# KiCad board UD3.1.kicad_pcb (continued)
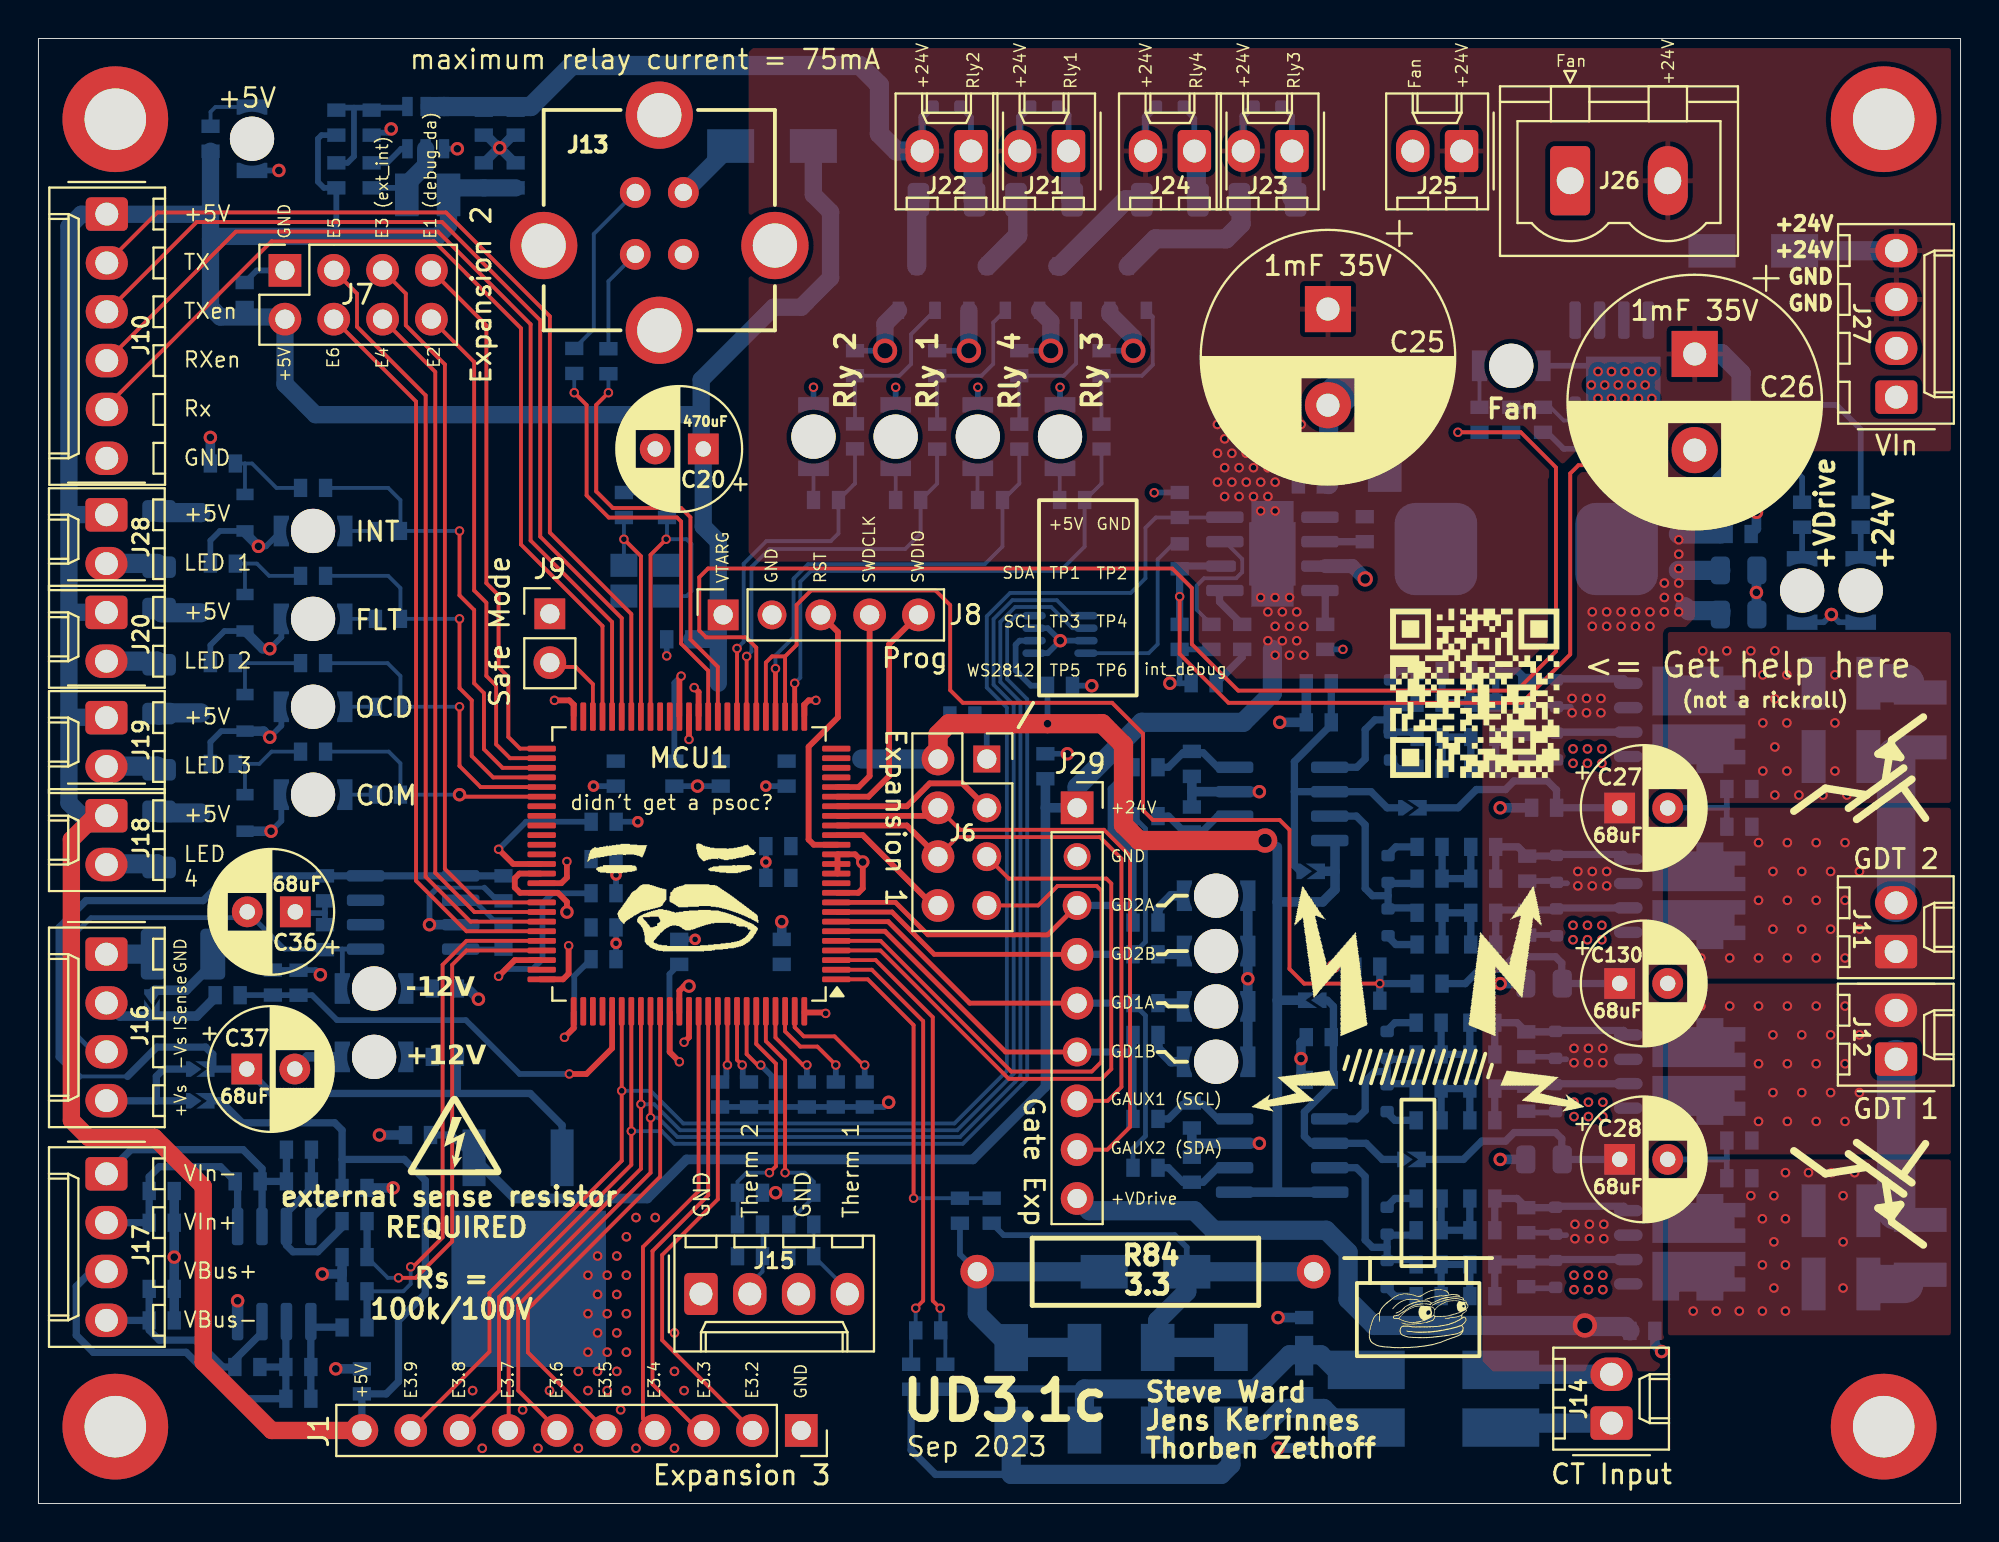
[diagram p0: board, top side]
## Routing (per net, layer and track width the routed paths; a pad name or vN(x,y) marks a point on that pad's centre or on a via; arc(x,y) is an arc through that point) (continued)
+VDrive: length 93.6
  Bottom w0.3: 88.58,54.22 90.9,54.22 91.76,53.36 R4.1 ; 78.93,13.96 79.48,13.96 ; R177.2 79.03,23.23 ; R153.2 78.94,41.5 ; R152.2 78.92,32.38 ; R178.2 79.03,14.09 ; 84.14,51.68 R14.2 ; 78.94,41.43 79.72,41.43 ; 78.93,23.11 79.48,23.11 ; 78.98,32.26 79.52,32.26
  Bottom w0.381: 82.27,27.04 79.26,27.04 79.26,28.11 78.93,28.44 76.77,28.44 76.12,27.79 74.98,27.79 74.23,27.04 R155.1 ; 82.27,17.9 79.26,17.9 79.26,18.97 78.93,19.3 76.77,19.3 76.32,18.85 75.09,18.85 74.14,17.9 Jp14.2 ; 82.27,36.19 C129.2 78.98,37.11 78.51,37.58 76.77,37.58 76.32,37.14 74.81,37.14 73.86,36.19 72.09,36.19
  Bottom w1: 88.58,54.22 87.53,53.17 87.53,52.51 87.51,52.48 87.1,52.48 85.66,51.05 ; 85.32,50.42 87.53,50.42 ; 85.32,48.53 87.53,48.53 ; 85.66,46.64 85.87,46.44 87.51,46.44 87.53,46.41 87.53,46.24 ; J29.9 54.67,15.23 60.13,15.23 61.15,14.22 66.99,14.22 68.14,13.07 68.14,10.62 69.49,9.26 v6(80.45,9.26) 80.51,9.21 82.57,9.21 C111.2
  vias: v1(79.79,41.88) v1(79.79,41.13) v1(79.89,23.68) v1(79.89,22.93) v1(79.94,14.53) v1(79.94,13.78) v1(80.09,32.88) v1(80.09,32.13) v1(80.54,41.88) v1(80.54,41.13) v1(80.64,23.68) v1(80.64,22.93) v1(80.69,14.53) v1(80.69,13.78) v1(80.84,46.38) v1(80.84,45.63) v1(80.84,32.88) v1(80.84,32.13) v1(81.29,41.88) v1(81.29,41.13) v1(81.39,23.68) v1(81.39,22.93) v1(81.44,14.53) v1(81.44,13.78) v1(81.59,46.38) v1(81.59,45.63) v1(81.59,32.88) v1(81.59,32.13) v1(82.34,46.38) v1(82.34,45.63) v1(83.09,46.38) v1(83.09,45.63) v1(83.84,46.38) v1(83.84,45.63) v1(84.59,51.63) v1(84.59,47.88) v1(84.59,47.13) v1(84.59,46.38) v1(85.34,51.63) v1(85.34,50.88) v1(85.34,50.13) v1(85.34,49.38) v1(85.34,48.63) v1(85.34,47.88) v1(85.34,47.13) v1(85.34,46.38)
/AFE/CTA: length 5.5
  Bottom w1: 76.31,6.72 81.85,6.72
/AFE/CTB: length 5.5
  Bottom w1: 76.31,4.18 81.85,4.18
/AFE/CTout: length 18
  Top w0.2: v5(45.53,15.88) 45.53,24.88 43.15,27.27 41.57,27.27
  Bottom w0.2: v5(45.53,15.88) C83.1 R85.1
/AFE/Ibus: length 23.4
  Top w0.3: v5(27.62,22.34) 28.51,22.34 29.85,23.68 29.85,25.54
  Bottom w0.3: R1.1 14.24,26.44 15.53,25.14 22.23,25.14 25.04,22.34 v5(27.62,22.34) ; 12.2,26.44 13.53,26.44 ; 10.5,26.45 C82.2
/AFE/Ibus In: length 6.3
  Bottom w0.5: 3.56,26.03 4.24,25.35 Jp16.2 8.23,25.35 9.19,26.31
/AFE/therm1: length 12.8
  Top w0.2: 37.85,25.54 37.85,24.05 38.85,23.05 v5(38.85,17.21)
  Bottom w0.2: C96.2 40.34,16.74 39.87,17.21 v5(38.85,17.21) ; 39.04,14.64 40.34,15.94
/AFE/Therm1 In: length 4.1
  Bottom w0.2: R93.2 C95.2 42.08,11.12
/AFE/therm2: length 13
  Top w0.2: 37.35,25.54 37.35,23.9 38.37,22.88 38.37,17.54 v5(38.03,17.21)
  Bottom w0.2: R89.1 C89.2 36.37,16.74 36.84,17.21 v5(38.03,17.21)
/AFE/Therm2 In: length 3.4
  Bottom w0.2: 37,11.4 37.67,12.07 C88.2 R89.2
/AFE/VSense A: length 26.8
  Top w0.2: 26.12,28.77 22.27,28.77 21.53,28.02 21.53,13.63 19.63,11.74 v5(18.73,11.74)
  Bottom w0.2: v5(18.73,11.74) 18.18,11.74 C86.2
  Bottom w0.381: C86.2 R87.2
/AFE/VSense A +: length 11.5
  Bottom w0.381: C85.2 9.47,17.52 6.29,17.52 5.76,16.99 C87.1 R88.1 3.56,14.6 ; 10.36,14.69 10.36,16.63
/AFE/VSense A -: length 14.7
  Bottom w0.381: 11.63,14.69 11.63,16.75 ; 11.63,16.75 11.63,17.42 10.65,18.41 4.82,18.41 3.56,17.14 ; 11.63,16.75 C84.1 R86.1
/AFE/VSense B: length 27.3
  Top w0.2: v5(19.37,12.31) 19.49,12.31 21.03,13.84 21.03,28.02 22.27,29.27 26.12,29.27
  Bottom w0.2: C93.2 18.99,11.04 19.37,11.42 v5(19.37,12.31)
  Bottom w0.381: R91.2 C93.2
/AFE/VSense B +: length 12
  Bottom w0.381: 11.63,8.89 10.22,7.48 C94.1 9.59,7.1 8.19,8.5 6.29,8.5 5.76,9.02 R90.2 ; R90.2 3.56,9.53 ; R90.2 C92.2
/AFE/VSense B -: length 21
  Bottom w0.381: 2.74,12.06 1.97,11.29 1.97,8.75 2.86,7.87 7.68,7.87 10.1,5.45 R92.1 C97.1 ; C94.2 C97.1 ; C97.1 12.87,9.16
/AFE/ZCDA: length 24.1
  Top w0.2: v5(46.92,10.16) 46.53,10.55 46.53,25.3 43.56,28.27 41.57,28.27
  Bottom w0.2: 46.92,9.03 v5(46.92,10.16) ; R48.1 47.18,8.77
/AFE/ZCDB: length 23.3
  Top w0.2: v5(45.64,10.16) 46.03,10.55 46.03,25.09 43.35,27.77 41.57,27.77
  Bottom w0.2: C81.2 v5(45.64,10.16) ; R47.1 45.4,8.77
/Controller/Aux Gate 1: length 30.8
  Top w0.2: J29.7 55.62,20.95 56.34,21.67 56.34,33.55 55.23,34.66 47.82,34.66 J6.6
  Top w0.3: J6.6 45.18,35.27 41.57,35.27
/Controller/Aux Gate 2: length 33.2
  Top w0.2: J29.8 55.61,18.41 56.79,19.59 56.79,33.68 55.44,35.04 47.94,35.04 J6.4
  Top w0.3: 41.57,35.77 46.38,35.77
/Controller/Default: length 4.2
  Top w0.2: 26.61,43.51 27.95,43.51 28.85,42.62 28.85,40.99
/Controller/E1: length 27.8
  Top w0.2: 26.12,39.27 25.05,39.27 24.45,39.87 24.45,42.99 23.94,43.5 23.94,47.23 23.3,47.87 23.3,61.28 20.45,64.14
/Controller/E2: length 26.1
  Top w0.2: 26.12,38.77 24.54,38.77 23.81,39.49 23.81,42.54 23.3,43.04 23.3,46.85 22.67,47.49 22.67,59.37 20.45,61.59
/Controller/E3: length 38.2
  Top w0.2: 17.91,64.14 19.11,62.93 19.11,61.28 21.15,59.25 21.15,33.01 22.89,31.27 26.12,31.27
/Controller/E3.2: length 24.9
  Top w0.2: J1.2 32.45,8.5 32.45,12.93 35.35,15.82 35.35,25.54
/Controller/E3.3: length 23.9
  Top w0.2: 34.35,3.8 31.95,6.21 31.95,13.13 34.85,16.03 34.85,25.54
/Controller/E3.4: length 23.2
  Top w0.2: J1.4 31.45,4.42 31.45,13.34 34.35,16.24 34.35,25.54
/Controller/E3.5: length 26.3
  Top w0.2: 32.35,25.54 32.35,17 25.46,10.12 25.46,7.87 J1.5
/Controller/E3.6: length 75.7
  Top w0.2: 26.99,3.85 24.96,5.88 24.96,10.32 31.85,17.21 v5(31.85,20.07) 31.85,25.54
  Bottom w0.2: IC1.6 53.79,45.53 52.69,46.63 50.82,46.63 50.04,45.86 50.04,42.73 51.09,41.69 51.09,22.21 50.81,21.92 47.94,19.06 33.24,19.06 32.24,20.07 v5(31.85,20.07)
/Controller/E3.7: length 75.4
  Top w0.2: 24.46,3.82 24.46,10.53 31.35,17.41 v5(31.35,20.77) 31.35,25.54
  Bottom w0.2: IC1.5 53.79,46.18 52.98,46.98 50.67,46.98 49.69,46 49.69,42.59 50.74,41.54 50.74,22.35 47.8,19.42 33.39,19.42 32.04,20.77 v5(31.35,20.77)
/Controller/E3.8: length 73.4
  Top w0.2: 30.85,25.54 v5(30.85,19.37) 30.85,17.62 23.96,10.74 23.96,5.86 J1.8
  Bottom w0.2: v5(30.85,19.37) 32.43,19.37 33.09,18.71 48.09,18.71 51.44,22.06 51.44,41.83 50.4,42.88 50.4,45.71 50.86,46.18 IC1.4
/Controller/E3.9: length 88
  Top w0.2: 30.35,25.54 v5(30.35,21.47) 30.35,17.83 23.46,10.94 23.46,7.9 J1.9
  Bottom w0.2: v5(30.35,21.47) 31.85,21.47 33.55,19.77 47.65,19.77 50.38,22.5 50.38,41.4 49.34,42.44 49.34,46.15 50.55,47.36 56.83,47.36 57.59,48.12 57.59,50.75 58.13,51.28 R13.2 61.43,51.28
/Controller/E4: length 36.2
  Top w0.2: 26.12,30.77 22.68,30.77 20.65,32.8 20.65,58.86 17.91,61.59
/Controller/E5: length 40.5
  Top w0.2: 26.12,30.27 22.48,30.27 20.15,32.6 20.15,57.63 16.57,61.2 16.57,62.93 15.37,64.14
/Controller/E6: length 38.5
  Top w0.2: 26.12,29.77 22.27,29.77 19.65,32.39 19.65,57.32 15.37,61.59
/Controller/GD1A: length 26.2
  Top w0.25: J29.5 48.45,26.03 44.21,30.27 41.57,30.27
  Bottom w0.25: R157.1 57.59,25.38 57.59,19.12 56.94,18.47 R169.1
  Bottom w0.381: J29.5 R157.1
/Controller/GD1B: length 23.2
  Top w0.25: 41.57,29.77 44.04,29.77 50.32,23.49 J29.6
  Bottom w0.381: J29.6 56.94,23.49 R156.1 R168.1
/Controller/GD2A: length 25.7
  Top w0.25: 41.57,31.27 44.59,31.27 46.27,29.58 52.51,29.58 J29.3
  Bottom w0.381: J29.3 56.94,31.11 ; 56.94,31.11 R132.1 ; 56.94,31.11 56.94,33.92 55.82,35.04 55.82,37.17 R143.1
/Controller/GD2B: length 24
  Top w0.25: 41.57,30.77 44.41,30.77 46.61,28.57 J29.4
  Bottom w0.25: R131.1 57.59,29.22 57.59,35.1 R144.1
  Bottom w0.381: J29.4 R131.1
/Controller/LED1: length 24.1
  Top w0.2: v5(21.91,50.58) 21.91,47.23 22.67,46.47 22.67,42.66 23.18,42.16 23.18,39.23 24.15,38.27 26.12,38.27
  Bottom w0.2: v5(21.91,50.58) R106.1 18.83,52.19 18.2,52.82 R100.1
/Controller/LED2: length 20.3
  Top w0.2: 26.12,37.77 23.66,37.77 22.54,38.88 22.54,41.77 21.91,42.41 v5(21.91,46.01)
  Bottom w0.2: v5(21.91,46.01) R110.1 18.83,47.62 18.2,48.25 R109.1
/Controller/LED3: length 16.6
  Top w0.2: 26.12,37.27 23,37.27 21.91,38.36 v5(21.91,41.44)
  Bottom w0.2: v5(21.91,41.44) R120.1 18.83,43.04 18.17,43.71 R119.1
/Controller/LED4: length 13.2
  Top w0.2: v3(21.91,36.87) 21.88,36.85 21.88,36.77 26.12,36.77
  Bottom w0.2: v3(21.91,36.87) R128.1 18.83,38.5 18.22,39.11 R127.1
/Controller/TP2: length 8.8
  Top w0.3: 41.57,36.27 45.18,36.27 46.37,37.46 48.07,37.46 J6.3
/Controller/TP4: length 33.9
  Top w0.2: J6.5 50.48,32.5 55.56,32.5 55.82,32.25 55.82,22.6 55.31,22.09 50.48,22.09 43.81,28.77 41.57,28.77
/Controller/TP5: length 6.5
  Top w0.3: 46.55,31.11 42.89,34.77 41.57,34.77
/Controller/TP6: length 32.1
  Top w0.2: J6.7 52.01,31.11 53.02,32.12 55.05,32.12 55.31,31.87 55.31,22.98 54.8,22.47 50.61,22.47 43.81,29.27 41.57,29.27
/Controller/VIB0: length 3.4
  Top w0.2: v5(35.85,22.81) 35.85,25.54
  Bottom w0.3: v5(35.85,22.81) 35.85,22.76 35.79,22.7 35.79,22.13
/Controller/VIB1: length 3.5
  Top w0.2: 36.35,25.54 36.35,23.08 v5(36.61,22.81)
  Bottom w0.3: 36.64,22.13 36.64,22.78 v5(36.61,22.81)
/Controller/VIB2: length 4.4
  Top w0.2: 36.85,25.54 36.85,23.38 37.41,22.81 v5(37.58,22.81)
  Bottom w0.3: v5(37.58,22.81) 38.46,21.93
/Controller/VIB3: length 4.2
  Top w0.2: v5(39.98,22.81) 39.77,22.81 38.35,24.24 38.35,25.54
  Bottom w0.3: R181.1 39.98,22.61
/Controller/VIB4: length 5
  Top w0.2: 38.85,25.54 38.85,24.56 39.64,23.77 40.53,23.77 v5(41.48,22.81)
  Bottom w0.3: R180.1 41.48,22.61
/Controller/VIB5: length 6.1
  Top w0.2: 42.99,22.72 41.41,24.3 39.81,24.3 39.35,24.77 39.35,25.54
  Bottom w0.3: v5(42.99,22.81) R179.1
/Controller/XI: length 12
  Top w0.2: 31.35,40.99 31.35,49.27 v5(30.46,50.16)
  Bottom w0.2: X1.2 v5(30.46,50.16) C16.1
/Controller/XO: length 15.9
  Top w0.2: 31.85,40.99 31.85,49.34 v5(32.66,50.16)
  Bottom w0.2: C18.1 32.7,50.2 v5(32.66,50.16) 33.72,50.16 33.97,49.9 33.97,47.45 33.72,47.2 X1.1
/Digital IO/FAN: length 77.8
  Top w0.2: 37.35,40.99 37.35,44.52 36.81,45.05 34.73,45.05 34.38,45.41 34.38,48.17 34.84,48.63 58.99,48.63 60.01,47.62 60.01,44.69 62.42,42.28 76.91,42.28 78.95,44.32 78.95,53.89 77.12,55.72 v5(73.85,55.72)
  Bottom w0.2: v5(73.85,55.72) R105.1 R98.1
/Digital IO/Relay1: length 22.1
  Top w0.2: 36.85,40.99 v5(36.85,44.06)
  Bottom w0.2: R101.1 45.9,50.45 45.09,49.65 38.04,49.65 37.1,48.71 37.1,44.31 v5(36.85,44.06) ; R124.1 46.76,53.05 45.9,52.19
/Digital IO/Relay2: length 18.4
  Top w0.2: 36.35,40.99 v5(36.35,44.47)
  Bottom w0.2: v5(36.35,44.47) 36.69,44.82 36.69,48.88 37.87,50.05 41.22,50.05 41.62,50.45 R102.1 42.48,53.06 R125.1
/Digital IO/Relay3: length 28
  Top w0.25: 39.35,40.99 39.35,42.62
  Bottom w0.2: R103.1 54.43,49.78 53.16,48.5 40.2,48.5 39.64,47.95 39.64,42.95 v5(39.35,42.66) ; R113.1 55.31,53.05 54.45,52.2
/Digital IO/Relay4: length 24.5
  Top w0.25: 38.35,40.99 v5(38.35,43.42)
  Bottom w0.2: R104.1 50.15,49.78 49.24,48.86 40.04,48.86 39.33,48.15 39.33,48.14 39.28,48.09 39.28,45.05 38.35,44.11 v5(38.35,43.42) ; R114.1 51.03,53.05 50.17,52.19
/GDT Driver powerstage/GDT1 DRV A: length 10.9
  Bottom w0.381: R166.1 71.42,12.69 70.17,12.69 70.17,13.33 ; 70.17,13.33 69.41,13.33 69.02,13.71 69.02,17.01 68.57,17.47 67.46,17.47 ; 70.17,13.33 70.17,13.96 71.42,13.96 R171.1
/GDT Driver powerstage/GDT1 DRV B: length 9.1
  Bottom w0.381: R167.1 71.42,21.83 70.17,21.83 70.17,22.47 ; 70.17,22.47 70.17,23.11 71.42,23.11 R172.1 ; 70.17,22.47 69.53,22.47 69.02,21.96 69.02,20.44 68.59,20.01 67.46,20.01
/GDT Driver powerstage/GDT2 DRV A: length 9.1
  Bottom w0.381: 71.68,41.65 71.42,41.39 70.17,41.39 70.17,40.76 ; 70.17,40.76 69.53,40.76 69.02,40.25 69.02,38.73 68.59,38.29 67.46,38.29 ; 70.17,40.76 70.17,40.12 71.42,40.12 71.68,39.87
/GDT Driver powerstage/GDT2 DRV B: length 10.9
  Bottom w0.381: 67.46,35.75 68.57,35.75 69.02,35.3 69.02,32 69.41,31.61 70.22,31.61 ; R142.1 71.47,30.98 70.22,30.98 70.22,31.61 ; R147.1 71.47,32.25 70.22,32.25 70.22,31.61
/GDT Driver powerstage/GDT OUT 1A: length 7.9
  Bottom w2: 96.65,15.23 96.65,23.11
/GDT Driver powerstage/GDT OUT 2A: length 7.6
  Bottom w2: 96.65,31.24 96.65,38.85
/GDT Driver powerstage/M1A:
  vias: v1(86.09,17.21) v1(86.09,10.01) v1(87.29,10.01) v1(88.49,10.01) v1(89.09,16.01) v1(89.69,14.81) v1(89.69,12.41) v1(89.69,10.01) v1(90.29,16.01) v1(90.29,13.61) v1(90.29,11.21) v1(90.89,17.21) v1(90.89,14.81) v1(90.89,12.41) v1(90.89,10.01) v1(92.09,17.21) v1(93.29,17.21) v1(93.89,16.01) v1(93.89,13.61) v1(93.89,11.21) v1(94.49,17.21)
/GDT Driver powerstage/M1B:
  vias: v1(86.49,25.87) v1(87.99,25.87) v1(89.49,25.87) v1(89.49,22.87) v1(89.49,19.87) v1(90.24,24.37) v1(90.24,21.37) v1(90.99,25.87) v1(90.99,22.87) v1(90.99,19.87) v1(91.74,24.37) v1(91.74,21.37) v1(92.49,25.87) v1(92.49,22.87) v1(92.49,19.87) v1(93.24,24.37) v1(93.24,21.37) v1(93.99,25.87) v1(93.99,22.87) v1(93.99,19.87) v1(94.74,24.37) v1(94.74,21.37)
/GDT Driver powerstage/M2A:
  vias: v1(86.59,44.35) v1(87.84,44.35) v1(89.09,44.35) v1(89.71,43.1) v1(89.71,40.6) v1(89.71,38.1) v1(90.34,44.35) v1(90.34,41.85) v1(90.34,39.35) v1(90.34,36.85) v1(90.96,43.1) v1(90.96,40.6) v1(90.96,38.1) v1(91.59,36.85) v1(92.84,36.85) v1(93.46,43.1) v1(93.46,40.6) v1(93.46,38.1) v1(94.09,36.85)
/GDT Driver powerstage/M2B:
  vias: v1(86.49,28.37) v1(87.99,28.37) v1(89.49,34.37) v1(89.49,31.37) v1(89.49,28.37) v1(90.24,32.87) v1(90.24,29.87) v1(90.99,34.37) v1(90.99,31.37) v1(90.99,28.37) v1(91.74,32.87) v1(91.74,29.87) v1(92.49,34.37) v1(92.49,31.37) v1(92.49,28.37) v1(93.24,32.87) v1(93.24,29.87) v1(93.99,34.37) v1(93.99,31.37) v1(93.99,28.37) v1(94.74,32.87) v1(94.74,29.87)
/GDT Driver powerstage/UVLO: length 61.9
  Top w0.2: 37.85,40.99 37.85,43.74 38.16,44.06 38.85,44.06 ; 38.85,44.06 39.44,44.66 39.44,46.74 40.2,47.49 46.67,47.49 47.43,46.73 47.43,42.3 48.09,41.65 55.86,41.65 57.47,40.04 57.47,36.06 57.98,35.55 64.58,35.55 65.09,35.04 65.09,27.8 65.85,27.04 v5(69.79,27.04) ; 38.85,44.06 38.85,40.99
  Bottom w0.381: v5(69.79,27.04) R154.1 ; v5(69.79,27.04) C110.2 ; v5(69.79,27.04) R155.2
/LED1 Out: length 2.8
  Bottom w1: 6.28,48.79 6.17,48.89 3.56,48.89
/LED2 Out: length 2.8
  Bottom w1: 6.28,43.71 6.17,43.81 3.56,43.81
/LED3 Out: length 2.8
  Bottom w1: 3.56,38.35 6.17,38.35 6.28,38.25
/LED4 Out: length 2.8
  Bottom w1: 6.28,33.17 6.17,33.27 3.56,33.27
/Relay1 Out: length 4.9
  Bottom w0.3: 53.17,72.64 53.59,72.22 53.59,70.35
  Bottom w1: 53.7,67.81 53.7,70.24
/Relay2 Out: length 4.9
  Bottom w0.3: 47.98,72.64 48.51,72.1 48.51,70.35
  Bottom w1: 48.62,67.81 48.62,70.24
/Relay3 Out: length 5.1
  Bottom w0.3: 65.21,70.35 65.21,72.17 64.74,72.64
  Bottom w1: 65.21,70.35 65.21,67.91 65.32,67.81
/Relay4 Out: length 5
  Bottom w0.3: 60.13,70.35 60.13,72.04 59.54,72.64
  Bottom w1: 60.24,67.81 60.24,70.24
/RX: length 48.9
  Top w0.2: 3.56,57.08 12.13,65.65 20.58,65.65 25.11,61.13 25.11,49.88 29.35,45.64 29.35,40.99
/RXen: length 48.9
  Top w0.2: 3.56,59.44 10.27,66.15 20.79,66.15 25.61,61.33 25.61,50.09 29.85,45.85 29.85,40.99
/TX: length 48.9
  Top w0.2: 3.56,64.52 6.19,67.15 21.2,67.15 26.61,61.75 26.61,50.5 30.85,46.26 30.85,40.99
/TXen: length 48.9
  Top w0.2: 30.35,40.99 30.35,46.05 26.11,50.29 26.11,61.54 21,66.65 8.23,66.65 3.56,61.98
/USB D+: length 22.7
  Top w0.2: 35.35,40.99 35.35,43.52 33.92,44.94 33.92,51.29 33.44,51.78 29.88,51.78 29.02,52.64 29.02,57.14 v5(29.65,57.78)
  Bottom w0.2: v5(29.65,57.78) R94.1
/USB D-: length 22.8
  Top w0.2: v5(27.88,57.78) 28.52,57.13 28.52,52.43 29.67,51.28 33.23,51.28 33.44,51.07 33.44,44.72 34.85,43.31 34.85,40.99
  Bottom w0.2: v5(27.88,57.78) R95.1
Net-(C5-Pad2): length 8.3
  Top w0.3: v5(33.35,22.98) 32.85,23.48 32.85,25.54
  Bottom w0.3: v5(33.35,22.98) 32.83,23.49 32.83,27.53 C5.2
Net-(C13-Pad2): length 6.7
  Top w0.3: 33.35,40.99 33.35,42.94 v5(33.44,43.03)
  Bottom w0.3: v5(33.44,43.03) 33.08,42.68 C13.2
Net-(C21-Pad2): length 2.3
  Bottom w0.381: R12.1 62.62,44.02 C21.2
Net-(C84-Pad2): length 8.7
  Bottom w0.381: R87.1 15.8,14.36 14.53,13.1 13.24,13.1 12.9,13.44 IC6.7 ; 12.9,15.12 14.2,16.42 C84.2 R86.2
Net-(C97-Pad2): length 5.3
  Bottom w0.381: R92.2 C97.2 14.17,9.19 ; 14.19,9.17 15.78,9.17
Net-(C103-Pad1): length 4.8
  Bottom w0.381: R139.2 R141.2 R140.1 C103.1
Net-(C104-Pad1): length 4.8
  Bottom w0.381: R136.2 R142.2 C104.1 R135.1
Net-(C107-Pad2): length 1.4
  Bottom w2: 95.7,42.66 97.12,42.66
Net-(C108-Pad1): length 4.8
  Bottom w0.381: R148.2 R146.2 R149.1 C108.1
Net-(C109-Pad1): length 4.8
  Bottom w0.381: R151.2 R147.2 C109.1 R150.1
Net-(C119-Pad1): length 4.8
  Bottom w0.381: C119.1 R165.1 R166.2 R164.2
Net-(C120-Pad1): length 4.8
  Bottom w0.381: R160.1 C120.1 R167.2 R161.2
Net-(C123-Pad2): length 1.5
  Bottom w2: 95.6,11.42 97.07,11.42
Net-(C124-Pad1): length 4.8
  Bottom w0.381: R173.2 R171.2 C124.1 R174.1
Net-(C125-Pad1): length 4.8
  Bottom w0.381: C125.1 R175.1 R172.2 R176.2
Net-(D1-A): length 1.6
  Bottom w0.3: 94.8,49.14 R3.2
Net-(D2-A): length 1.6
  Bottom w0.3: 91.76,49.14 R4.2
Net-(D3-A): length 1.4
  Bottom w0.2: 19.11,23.23 R5.2
Net-(D4-A): length 1.4
  Bottom w0.2: 19.11,26.79 R7.2
Net-(D5-A): length 3
  Bottom w0.2: 11.11,72.63 9.21,72.63 8.95,72.38 R8.2
Net-(D32-K): length 27.2
  Bottom w0.381: 47.2,5.96 54.42,5.96
  Bottom w1: D32.1 54.42,5.96 58.23,5.96 ; 58.23,5.96 63.31,5.96 65.09,7.74 66.72,7.74 67.51,6.95 L2.4 ; 58.23,5.96 D34.2
Net-(D33-K): length 31.3
  Bottom w0.381: R47.2 45.4,2.78 46.67,1.51 50.61,1.51
  Bottom w1: 67.86,3.95 66.86,4.94 64.72,4.94 63.59,3.82 D35.2 62.04,2.02 61.53,1.51 50.61,1.51 D33.1
Net-(D34-K): length 26.9
  Bottom w0.3: D36.1 59.74,13.33 59.11,13.96 50.21,13.96 R85.2
  Bottom w1: 66.34,12.06 D36.1 59.74,11.03 58.23,9.52 D34.1 D35.1
Net-(D37-A): length 3.4
  Bottom w0.9: 33.6,68.19 D37.2
Net-(D43-A): length 1.6
  Bottom w0.2: R101.2 44.6,53.84
Net-(D44-A): length 1.2
  Bottom w0.2: R102.2 40.32,53.44
Net-(D45-A): length 1.6
  Bottom w0.2: R103.2 53.13,53.82
Net-(D46-A): length 1.6
  Bottom w0.2: R104.2 48.85,53.82
Net-(D47-A): length 1.6
  Bottom w0.2: R105.2 74.97,58.42 75.13,58.57
Net-(D48-A): length 1.6
  Bottom w0.2: 15.94,50.58 R106.2
Net-(D49-A): length 1.6
  Bottom w0.2: 15.94,46.01 R110.2
Net-(D50-A): length 1.6
  Bottom w0.2: 15.94,41.44 R120.2
Net-(D51-A): length 1.6
  Bottom w0.2: 15.94,36.87 R128.2
Net-(D52-A): length 1.4
  Bottom w0.5: R131.2 59.45,28.57 59.62,28.74
Net-(D53-A): length 2.4
  Bottom w0.5: R132.2 58.24,30.93 58.93,31.61 59.62,31.61
Net-(D54-K): length 8.4
  Bottom w0.381: 78.94,40.01 R134.2 75.96,40.01 ; 78.98,40.12 Q14.2 ; C103.2 R140.2
Net-(D55-K): length 8.3
  Bottom w0.381: 78.87,30.87 R133.2 75.96,30.87 ; R135.2 C104.2 ; 78.98,30.98 Q15.2
Net-(D56-A): length 1.5
  Bottom w0.381: 70.34,38.62 70.75,38.22 R139.1
Net-(D57-A): length 1.7
  Bottom w0.381: 70.22,29.48 70.62,29.07 R136.1
Net-(D58-K): length 1.5
  Bottom w0.381: 70.34,42.89 70.75,43.3 R148.1
Net-(D59-K): length 1.7
  Bottom w0.381: 70.22,33.75 70.62,34.15 R151.1
Net-(D60-A): length 8.8
  Bottom w0.381: 78.89,42.81 R153.1 76.96,43.3 C108.2 R149.2 ; Q14.5 82.48,42.89 78.98,42.89
Net-(D61-A): length 8.8
  Bottom w0.381: 78.98,33.76 82.47,33.76 Q15.5 ; C109.2 R150.2 76.98,34.15 R152.1 78.89,33.68
Net-(D62-A): length 2.4
  Bottom w0.5: 59.62,22.98 58.93,22.98 58.24,23.67 R156.2
Net-(D63-A): length 1.2
  Bottom w0.5: R157.2 59.45,26.03
Net-(D64-K): length 8.4
  Bottom w0.381: 75.9,12.56 78.89,12.56 ; C119.2 R165.2 ; 78.93,12.69 Q16.2
Net-(D65-K): length 8.4
  Bottom w0.381: 78.93,21.83 Q17.2 ; R160.2 C120.2 ; 75.9,21.71 R158.2 78.89,21.71
Net-(D66-A): length 1.7
  Bottom w0.381: R164.1 70.57,10.79 70.17,11.19
Net-(D67-A): length 1.7
  Bottom w0.381: 70.17,20.33 70.57,19.93 R161.1
Net-(D68-K): length 1.7
  Bottom w0.381: 70.17,15.46 70.57,15.87 R173.1
Net-(D69-K): length 1.7
  Bottom w0.381: R176.1 70.57,25.01 70.17,24.61
Net-(D70-A): length 8.8
  Bottom w0.381: 78.86,15.39 R178.1 76.93,15.87 R174.2 C124.2 ; Q16.5 82.48,15.46 78.93,15.46
Net-(D71-A): length 8.8
  Bottom w0.381: 78.93,24.61 82.48,24.61 Q17.5 ; R175.2 C125.2 76.93,25.01 R177.1 78.86,24.53
Net-(IC1-A): length 9.5
  Bottom w0.2: IC1.8 57.76,44.23 58.23,44.69 58.23,49.11 59.04,49.92
Net-(IC7-IN_A): length 4.3
  Bottom w0.381: R144.2 58.79,35.75 59.54,35 60.6,35 61.35,35.75 61.96,35.75
Net-(IC7-IN_B): length 4.3
  Bottom w0.381: R143.2 58.79,38.29 59.54,39.05 60.6,39.05 61.35,38.29 61.96,38.29
Net-(IC7-VCC): length 16.5
  Bottom w0.381: 67.26,40.51 65.34,38.59 65.34,37.02 ; 65.34,37.02 69.33,37.02 70.17,36.19 70.89,36.19 ; 65.34,37.02 65.34,33.19 Jp13.1 ; C105.1 C101.1
Net-(IC8-IN_A): length 4.3
  Bottom w0.381: 61.96,17.47 61.35,17.47 60.6,16.71 R163.2 59.54,16.71 58.79,17.47 R169.2
Net-(IC8-IN_B): length 4.3
  Bottom w0.381: 61.96,20.01 61.35,20.01 60.6,20.76 59.54,20.76 58.79,20.01 R168.2
Net-(IC8-VCC): length 13.3
  Bottom w0.381: IC8.6 66.23,18.74 65.86,19.1 65.86,20.36 67.37,21.87 67.37,25.86 67.05,26.18 Jp15.1 ; Jp14.1 69.91,17.9 69.08,18.74 67.46,18.74
Net-(J8-Pin_3): length 14.3
  Top w0.3: 41.57,34.27 40.34,34.27 40.07,34.53 40.07,39.36 41.59,40.89 41.59,45.33 J8.3
Net-(J8-Pin_4): length 10.3
  Top w0.3: J8.4 43.24,37.84 42.67,37.27 41.57,37.27
Net-(J8-Pin_5): length 12.1
  Top w0.3: 41.57,36.77 43.19,36.77 44.26,37.84 44.26,44.69 J8.5
Net-(J13-D+): length 5.5
  Bottom w0.2: R94.2 29.65,63.57 J13.3
Net-(J13-D-): length 9.4
  Bottom w0.2: J13.2 28.89,66.03 28.89,61.09 R95.2
Net-(J16-Pin_4): length 7.5
  Bottom w0.381: 6.13,20.95 Jp10.1 ; 6.13,20.95 6.13,22.22 6.51,22.6 Jp11.1 ; 6.13,20.95 3.57,20.95
Net-(Jp16-A): length 3.6
  Bottom w0.5: 8.95,27.96 7.68,26.7 6.05,26.7 Jp16.1
Net-(MCU1-P0[2]_(GPIO,_OPAMP0+),_SAR1REF): length 10.8
  Top w0.3: v5(23.94,27.42) 24.78,28.27 26.12,28.27
  Bottom w0.3: v5(23.94,27.42) 24.32,27.8 25.72,27.8 26.23,28.31 26.23,31.23 26.73,31.74 C7.2
Net-(MCU1-P0[4]_(GPIO,_OPAMP2+,_SAR0REF)): length 6.1
  Top w0.3: 27.85,25.54 27.85,24.72 v5(27.37,24.25)
  Bottom w0.3: C3.2 27.88,27.44 27.88,24.76 v5(27.37,24.25)
Net-(MCU1-VCCA): length 7.9
  Top w0.3: 26.12,33.27 24.7,33.27 v5(23.94,34.03)
  Bottom w0.3: v5(23.94,34.03) 25.37,35.46 C11.2
Net-(Q5-D): length 2.2
  Bottom w1: 6.28,51.54 8.44,51.54 Q5.3
Net-(Q5-G): length 5.5
  Bottom w0.2: R99.2 10.75,54.09 ; 10.75,54.09 Q5.1 ; 10.75,54.09 11.11,54.09 12.38,52.82 R100.2
Net-(Q6-G): length 3.6
  Bottom w0.2: R98.2 R96.2 78.66,57.02 79.35,56.33 79.95,56.33
Net-(Q7-D): length 2.2
  Bottom w1: Q7.3 6.41,46.33 6.28,46.46
Net-(Q7-G): length 5.3
  Bottom w0.2: R109.2 12,48.25 11.37,48.89 10.81,48.89 ; Q7.1 10.75,48.83 10.81,48.89 ; 10.81,48.89 R108.2
Net-(Q8-D): length 2.2
  Bottom w1: 6.28,41 6.4,41.12 Q8.3
Net-(Q8-G): length 5
  Bottom w0.2: Q8.1 10.75,43.71 ; 10.75,43.71 R118.2 ; 10.75,43.71 R119.2
Net-(Q9-D): length 8
  Bottom w1: Q9.3 58.11,65.78 61.79,65.78 62.57,66.56 62.57,67.81
Net-(Q9-G): length 8.4
  Bottom w0.2: R113.2 R111.2 57.41,58.66 57.98,59.22 57.98,61.73 Q9.1
Net-(Q10-D): length 5.9
  Bottom w1: 57.49,67.81 56.58,67.81 53.13,64.36 Q10.3
Net-(Q10-G): length 8.5
  Bottom w0.2: R114.2 R112.2 53.34,58.66 53.98,59.3 53.98,62.04
Net-(Q11-D): length 2.2
  Bottom w1: 6.28,35.92 Q11.3
Net-(Q11-G): length 5.3
  Bottom w0.2: Q11.1 10.75,38.35 10.87,38.47 ; 10.87,38.47 11.49,38.47 12.13,39.11 R127.2 ; 10.87,38.47 R126.2
Net-(Q12-D): length 4.1
  Bottom w1: Q12.3 50.95,65.95 50.95,67.81
Net-(Q12-G): length 8.7
  Bottom w0.2: R124.2 R122.2 49.07,58.66 49.67,59.27 49.67,61.43 Q12.1
Net-(Q13-D): length 3.5
  Bottom w1: 45.87,67.81 45.7,67.64 Q13.3
Net-(Q13-G): length 9
  Bottom w0.2: Q13.1 45.4,60.81 45.4,59.27 44.79,58.66 R123.2 R125.2
Net-(Reg1-BST): length 2.2
  Bottom w0.3: C134.1 18.14,69.73 18.88,70.46 Reg1.6
Net-(Reg1-FB): length 7
  Bottom w0.3: 16.42,72.6 17.33,72.6 ; 16.42,72.6 15.62,72.6 ; 16.42,72.6 16.42,70.06 16.08,69.73 C135.2 ; 17.46,72.6 19.13,72.6
Net-(Reg1-SW): length 3.9
  Bottom w0.3: C134.2 18.97,68.43
  Bottom w0.9: Reg1.5 20.15,69.6 19.16,68.62
Net-(Reg2-BST): length 2.1
  Bottom w0.381: 66.95,50.03 69.01,50.03
Net-(Reg2-COMP): length 2.2
  Bottom w0.381: R12.2 61.45,46.9 61.45,47.49
Net-(Reg2-FB): length 44.3
  Top w0.2: v5(59.37,47.17) 59.37,44.19 61.91,41.65 77.17,41.65 79.69,44.17 79.69,53.57 80.12,54 v5(82.74,54)
  Bottom w0.2: R14.1 82.76,53.98 v5(82.74,54)
  Bottom w0.381: C22.1 v5(59.37,47.17) R10.2 ; 59.52,48.76 61.45,48.76
Net-(Reg2-FSW): length 1.8
  Bottom w0.381: R11.2 66.95,47.49
Net-(Reg2-SS): length 6.9
  Bottom w0.2: C24.2 60.26,46.49 60.26,47.74 60.64,48.12 62.31,48.12 62.63,48.44 62.63,49.13 Reg2.7
Net-(U1-CAP+): length 1.8
  Bottom w0.25: 22.65,31.38 23.89,30.14
Net-(U1-CAP-): length 1.9
  Bottom w0.25: 22.24,28.84 C39.2

## Copper pours and planes (outline as drawn; the poured copper is in the pictures)
+5V on Bottom: 44.05,43.47 23.65,43.47 23.65,23.06 44.05,23.06
+24V on Top: 100,76.2 37.66,76.2 36.94,75.48 36.94,49.47 43.51,42.91 76.61,42.91 78.53,44.82 78.53,53.28 79.98,54.73 100.01,54.73
+24V on Bottom: 78.52,65.27 57.47,65.27 57.47,42.91 67.05,42.91 67.58,43.44 67.58,54.81 68.49,55.72 78.37,55.72 78.52,55.86
GND on Bottom: 84.77,13.1 79.22,13.1 78.83,12.91 78.83,10.56 84.77,10.56
GND on Bottom: 21.15,15.48 20.64,14.98 20.64,2.91 21.15,2.4 44.51,2.4 44.89,2.78 44.89,14.98 44.39,15.48
GND on Bottom: 84.77,40.53 79.22,40.53 78.83,40.34 78.83,37.99 84.77,37.99
GND on Bottom: 84.77,31.39 79.22,31.39 78.83,31.2 78.83,28.85 84.77,28.85
GND on Bottom: 84.77,22.24 79.22,22.24 78.83,22.06 78.83,19.7 84.77,19.7
GND on In1.Cu: 99.49,0.51 0.51,0.51 0.51,75.69 99.49,75.69
GND on In2.Cu: 99.49,0.51 0.51,0.51 0.51,75.69 99.49,75.69
+VDrive on Top: 86.17,54.81 86.17,46.05 84.77,44.66 84.77,7.54 84.1,6.87 75.67,6.87 75.12,7.43 75.12,52.42 77.51,54.81
+VDrive on Bottom: 84.82,31.61 79.48,31.61 79.48,33.53 84.82,33.53
+VDrive on Bottom: 84.77,22.47 79.43,22.47 79.43,24.38 84.77,24.38
+VDrive on Bottom: 86.04,51.3 85.28,52.06 80.33,52.06 79.35,51.08 79.35,45.92 80.07,45.2 85.32,45.2 86.04,45.93
+VDrive on Bottom: 84.82,40.76 79.48,40.76 79.48,42.66 84.82,42.66
+VDrive on Bottom: 84.77,13.33 79.43,13.33 79.43,15.23 84.77,15.23
/Fan Out on Bottom: 66.52,73.12 66.52,67.26 73.22,60.55 90.21,60.55 91.37,61.7 91.37,70.74 87.84,74.26 67.66,74.26
/GDT Driver powerstage/M1A on Top: 84.77,17.9 84.77,8.75 100.01,8.75 100.01,17.9
/GDT Driver powerstage/M1A on Bottom: 84.77,17.9 84.77,8.75 100.01,8.75 100.01,17.9
/GDT Driver powerstage/M1B on Top: 84.77,27.04 84.77,17.9 100.01,17.9 100.01,27.04
/GDT Driver powerstage/M1B on Bottom: 84.77,17.9 84.77,27.04 100.01,27.04 100.01,17.9
/GDT Driver powerstage/M2A on Top: 84.77,36.19 84.77,45.33 100.01,45.33 100.01,36.19
/GDT Driver powerstage/M2A on Bottom: 84.77,36.19 84.77,45.33 100.01,45.33 100.01,36.19
/GDT Driver powerstage/M2B on Top: 84.77,36.19 84.77,27.04 100.01,27.04 100.01,36.19
/GDT Driver powerstage/M2B on Bottom: 84.77,36.19 84.77,27.04 100.01,27.04 100.01,36.19
Net-(D7-K) on Bottom: 68.69,55.43 68.27,55.02 68.27,52.49 67.93,52.14 66.17,52.14 65.85,51.82 65.85,47.4 66.52,46.73 74.61,46.73 75.5,47.62 75.5,53.63 75.13,54 72.67,54 72.33,54.35 72.33,55.05 71.95,55.43

## Text on the board
B.Silkscreen: +12V | +5V | Shunt- / EN | GD2 / +5V | GD1 / +5V | +Vs sel | VDrive = 24V / (no reg) | GD2 / +VDrv | GD1 / +VDrv | 0 | 1 | 2 | 3 | 4 | 5 | VIBs: | -Electronics.de | ©Sep 2023 | much tight | so routed | such / layout!
F.Silkscreen: WS2812 | SDA | SCL | +5V | TP1 | TP3 | TP5 | GND | TP2 | TP4 | TP6 | +24V | GD2A | GD2B | GD1A | GD1B | GAUX1 (SCL) | GAUX2 (SDA) | +VDrive | int_debug | Fan | ISense | -Vs | +Vs | E6 | E5 | E4 | E3 (ext_int) | E3.9 | E1 (debug_da) | E2 | E3.8 | E3.7 | E3.6 | E3.5 | E3.4 | E3.3 | VTARG | E3.2 | RST | SWDCLK | SWDIO | Rly2 | Rly1 | Rly4 | Rly3 | didn't get a psoc? | (not a rickroll) | TX | TXen | RXen | Rx | LED 1 | LED 2 | LED 3 | LED / 4 | VIn- | VIn+ | VBus+ | VBus- | Therm 2 | Therm 1 | maximum relay current = 75mA | Sep 2023 | Steve Ward | Jens Kerrinnes | Thorben Zethoff | Rs = / 100k/100V | external sense resistor / REQUIRED | Rly 2 | Rly 1 | Rly 4 | Rly 3 | <= Get help here | UD3.1c | -12V | +12V
